# Altium PCB dv_cm.PcbDoc (part 2 of 2)
Units mm, origin at the board's own origin, x right, y up, seen from the top; angles counter-clockwise.
Board outline 86 x 62 mm, 4 copper layers (Top Layer, Ground, Power, Bottom Layer), stack 1.781 mm thick; 145 components, 168 nets, 872 pads, 199 vias.
Unrouted connection lines stored in the file: 3.
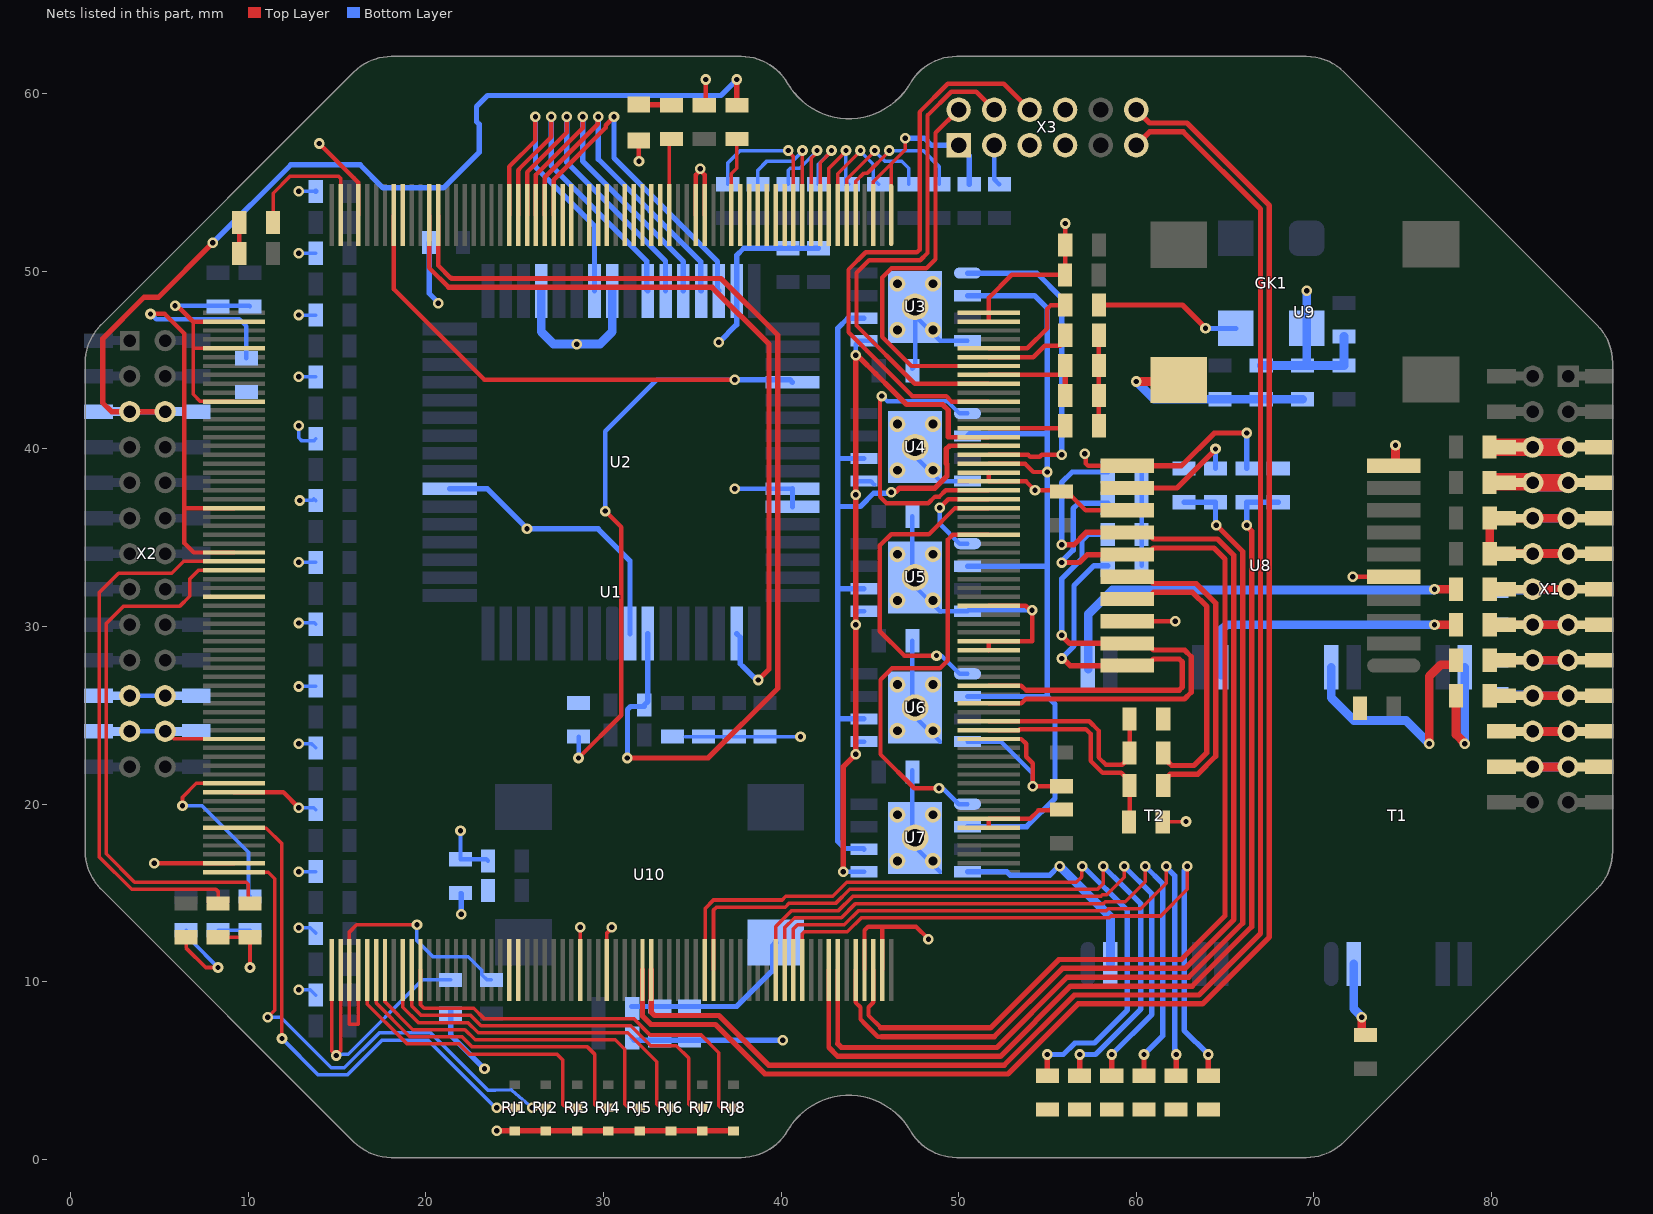
[diagram p4: the nets of this part, all layers, seen from the top]

## Via types
v1: diameter 0.6, hole 0.3, Top Layer to Bottom Layer, tented both sides, 189 vias
v2: diameter 1, hole 0.5, Top Layer to Bottom Layer, tented both sides, 4 vias
v3: diameter 5.4, hole 3, Top Layer to Bottom Layer, 4 vias
v4: diameter 0.7, hole 0.5, Top Layer to Bottom Layer, tented both sides, 1 vias
v5: diameter 0.8, hole 0.5, Top Layer to Bottom Layer, tented both sides, 1 vias

## Nets (pads, with @x,y where several pads share a name; then routed paths per layer and width w, separated by ;. In a path a pad name is that pad's centre, name@x,y a point inside that pad or via, vN(x,y) a via of type N, cw(c..) or ccw(c..) an arc to the next point about the centre after c; other vN are vias at no path point) (continued)
D_2: U1.44 U2.31 | length 17.3
  Top Layer w0.25: U1.44@24.7,53.168 24.7,55.9 26.171,57.371 v1(26.171,58.7)
  Bottom Layer w0.3: v1(26.171,58.7) 26.171,55.879 29.5,52.55 U2.31@29.5,48.9
D_3: U1.43 U2.34 | length 18.4
  Top Layer w0.25: U1.43@25.2,53.168 25.2,55.7 25.25,55.75 25.25,55.759 27.057,57.566 v1(27.057,58.7)
  Bottom Layer w0.3: v1(27.057,58.7) 27.057,55.954 32.437,50.575 32.437,48.963 U2.34@32.5,48.9
D_4: U1.42 U2.35 | length 18.6
  Top Layer w0.25: U1.42@25.7,53.168 25.7,55.573 27.943,57.815 v1(27.943,58.7)
  Bottom Layer w0.3: v1(27.943,58.7) 27.943,56.132 33.5,50.575 U2.35@33.5,48.9
D_5: U1.41 U2.36 | length 18.8
  Top Layer w0.25: U1.41@26.2,53.168 26.2,55.436 28.829,58.065 v1(28.829,58.7)
  Bottom Layer w0.3: v1(28.829,58.7) 28.829,56.221 34.5,50.55 U2.36@34.5,48.9
D_6: U1.40 U2.37 | length 19
  Top Layer w0.25: U1.40@26.7,53.168 26.7,55.3 29.68,58.28 29.68,58.666 v1(29.714,58.7)
  Bottom Layer w0.3: v1(29.714,58.7) 29.714,56.311 35.475,50.55 35.475,48.925 U2.37@35.5,48.9
D_7: U1.39 U2.38 | length 19.2
  Top Layer w0.25: U1.39@27.2,53.168 27.2,55.164 30.13,58.093 30.13,58.23 v1(30.6,58.7)
  Bottom Layer w0.3: v1(30.6,58.7) 30.6,56.377 36.427,50.55 36.427,48.973 U2.38@36.5,48.9
DVCC_B: C17.2 U1.63 | length 8
  Top Layer w0.2: C17.2@11.4,52.75 11.4,54.4 12.35,55.35 15.083,55.35 15.2,55.233 U1.63@15.2,53.168
DVCC_PLL: C15.2 C16.2 U1.249 | length 6.1
  Top Layer w0.25: U1.249@51.7,44.168 55.725,44.168 56,44.443 C15.2@56,44.654
  Top Layer w0.3: C16.2@56,42.98 C15.2@56,44.443
GND: C11.1 C12.1 C13.1 C14.1 C15.1 C16.1 C17.1 C18.1 C19.1 C20.1 C21.1 C22.1 C23.1 C24.1 C25.1 C26.1 C29.2 C30.2 C31.1 C32.1 C33.1 C34.1 C35.1 C36.1 C37.1 C38.1 C39.1 C40.1 C41.1 C42.1 D1.2 GK1.2 L1.1 R11.2 R22.1 R34.2 R35.2 R36.2 R37.2 R39.2 R40.2 R41.2 R43.1 R44.1 R45.1 R48.2 R49.2 R50.1 R51.1 R54.2 R55.2 R63.1 R64.1 RJ1.3 RJ2.3 RJ3.3 RJ4.3 RJ5.3 RJ6.3 RJ7.3 RJ8.3 T1.2 T2.2 U1.22 U1.23 U1.61 U1.66 U1.69 U1.75 U1.97 U1.127 U1.157 U1.160 U1.189 U1.191 U1.198 U1.199 U1.208 U1.218 U1.219 U1.223 U1.237 U1.238 U1.255 U1.256 U2.15 U2.28 U2.32 U2.39 U2.50 U2.51 U2.64 U3.4 U3.TP U4.4 U4.TP U5.4 U5.TP U6.4 U6.TP U7.4 U7.TP U8.5 U8.10 U8.13 U8.18 X1.9 X1.10 X1.11 X1.12 X2.21 X2.22 X3.3 X3.5 X3.7 X3.8 | length 266.4
  Top Layer w0.2: 6.9,47.168 6.9,43.081 7.307,42.674 9.194,42.674 U1.75@9.2,42.668 ; 6.919,45.668 U1.69@9.2,45.668 ; R39.2@8.3,12.505 R40.2@10.1,12.505 v1(10.1,10.8) ; v1@28.643,13.062 28.7,13.005 U1.157@28.7,10.668 ; U1.160@30.2,10.668 30.2,12.744 30.475,13.019 v1(30.475,13.062) ; R49.2@61.5,19 62.775,19 v1(62.8,19.025)
  Top Layer w0.25: v1@4.7,16.729 4.761,16.668 U1.127@9.2,16.668 ; v1(5.882,48.066) 5.976,48.066 6.144,47.899 6.169,47.899 6.9,47.168 U1.66@9.2,47.168 ; C18.1@9.3,51.2 C18.1@9.5,51 9.25,51 9.5,51.25 C17.1@9.5,52.75 C17.1@9.5,53.049 ; v1(14,57.2) 15.957,55.243 15.96,55.243 16.2,55.003 U1.61@16.2,53.168 ; v1(32,56.2) D1.2@32,57.368 ; U1.23@35.2,53.168 35.2,55.427 v1@35.45,55.677 ; v1(35.45,55.772) v1@35.45,55.677 ; U1.22@35.7,53.168 35.7,55.427 v1@35.45,55.677 ; C26.1@35.756,59.355 v1(35.756,60.8) ; U1.189@44.7,10.668 44.7,12.9 44.9,13.1 47.6,13.1 v1(48.3,12.4) ; U1.191@45.7,10.668 45.7,13 ; U1.198@51.7,18.668 U1.199@51.7,19.168 54.018,19.168 54.494,19.644 C24.1@55.591,19.644 ; U1.208@51.7,23.668 53.535,23.668 53.806,23.396 53.806,22.665 54.175,22.296 v1(54.175,21) C21.1@55.8,21 ; U1.218@51.7,28.668 U1.219@51.7,29.168 54.137,29.168 v1(54.137,30.912) 54.042,30.912 53.787,31.168 U1.223@51.7,31.168 ; U1.238@51.7,38.668 U1.237@51.7,38.168 53.798,38.168 54.276,37.69 v1@54.276,37.666 ; U1.255@51.7,47.168 U1.256@51.7,47.668 51.7,48.5 53,49.8 C25.1@55.995,49.8 C41.1@55.995,51.474 ; v1(54.3,37.666) 55.702,37.666 C20.1@55.8,37.568 ; C20.1@55.8,37.6 56.075,37.325 56.375,37.325 57.15,36.55 U8.13@59.5,36.55 ; C41.1@56,51.474 56,52.642 v1@56.047,52.689 ; R22.1@57.9,46.402 C15.1@57.9,44.703 C16.1@57.9,43.004 C14.1@57.9,41.305 C14.1@57.905,41.3 ; U8.18@59.5,30.3 v1(62.2,30.3) ; v1(72.2,32.8) U8.5@74.5,32.8
  Top Layer w0.3: v1(24,1.6) RJ1.3@25,1.6 RJ2.3@26.76,1.6 RJ3.3@28.521,1.6 RJ4.3@30.281,1.6 RJ5.3@32.041,1.6 RJ6.3@33.802,1.6 RJ7.3@35.562,1.6 RJ8.3@37.322,1.6
  Top Layer w0.5: v1(72.7,8) 72.7,7.15 72.85,7 R11.2@72.9,7 ; U8.10@74.5,39.05 74.6,39.15 v1(74.6,40.2) ; C37.1@79.905,34.099 C38.1@79.905,36.099 X1.9@84.325,36.099
  Top Layer w0.508: C37.1@79.905,34.099 X1.11@84.325,34.099
  Bottom Layer w0.2: C23.1@8.3,12.9 R41.2@10.1,12.9 v1(10.1,10.8) ; L1.1@21.953,15 L1.1@22,14.953 ; 34.6,23.8 R37.2@39.1,23.8 v1(41.1,23.8)
  Bottom Layer w0.25: X2.22@3.322,26.099 X2.21@5.322,26.099 ; v1(5.882,48.066) 10.057,48.066 C19.1@10.1,48.023 ; v1(37.4,37.75) U2.50@40.65,37.75 ; C36.1@47.4,21.9 C36.1@47.4,21.8 47.4,18.25 U7.TP@47.55,18.1 47.55,17.592 U7.TP@48.952,16.19 ; C35.1@47.4,29.2 47.4,25.583 U6.TP@47.55,25.433 47.55,24.925 U6.TP@48.952,23.523 ; C34.1@47.4,36.2 47.4,32.917 U5.TP@47.55,32.767 47.55,32.259 48.952,30.857 U5.4@50.5,30.857 50.556,30.912 v1@54.176,30.912 ; C33.1@47.4,44.515 47.55,44.665 U3.TP@47.55,47.492 ; U4.TP@47.55,40.1 47.55,39.592 48.952,38.19 U4.4@50.5,38.19 ; U3.TP@47.55,48 U3.TP@47.55,47.492 ; U6.4@50.5,23.523 52.377,23.523 54.175,21.725 v1(54.175,21) ; U3.4@50.5,46.09 48.952,46.09 U3.TP@47.55,47.492 ; X3.3@52,57.1 52,55.18 52.275,54.905 C32.1@52.3,54.905 ; R44.1@60.3,33.426 R45.1@60.3,35.184 R50.1@60.3,36.942 R51.1@60.3,38.7 R51.1@60.348,38.748
  Bottom Layer w0.3: C30.2@20.193,51.619 20.193,48.754 20.7,48.247 v1(20.7,48.2) ; U2.15@21.35,37.75 23.475,37.75 25.725,35.5 29.7,35.5 31.5,33.7 U2.64@31.5,29.6 ; C13.1@21.4,8.4 C13.1@21.4,8.2 21.4,7 23.202,5.198 23.298,5.198 v1@23.3,5.2 ; v1(22,13.8) L1.1@22,14.953 ; v1(36.5,46) 37.5,47 U2.39@37.5,48.9 37.5,50.9 37.9,51.3 C31.1@42.1,51.3 ; U2.51@40.65,36.75 U2.50@40.65,37.75 ; U7.4@50.5,16.19 52.708,16.19 52.898,16 55.136,16 55.636,16.5 v1(55.696,16.5)
  Bottom Layer w0.5: U2.28@26.5,48.9 26.5,46.6 27.2,45.9 v1(28.5,45.9) 29.8,45.9 30.5,46.6 U2.32@30.5,48.9 ; v1(55.696,16.5) 58.55,13.646 T2.2@58.55,11 ; R63.1@67.041,44.7 R64.1@69.37,44.7 R64.1@69.45,44.7 ; v1(69.6,48.9) GK1.2@69.6,46.782 69.6,44.85 R64.1@69.45,44.7 ; C11.1@71.7,46.323 C40.1@71.7,44.7 R64.1@69.45,44.7 ; T1.2@72.25,11 72.25,8.477 72.7,8.027 v1(72.7,8) ; X1.10@82.325,36.099 X1.9@84.325,36.099
  Bottom Layer w0.508: X1.12@82.325,34.099 X1.11@84.325,34.099
  other v1: 23.3,5.1 28.7,13.062 4.7,16.668 25.7,35.5 56,52.689
GND_LPF_ADC1: C1.1 C2.1 C3.1 C4.1 C5.1 C6.1 C7.1 C8.1 C9.1 C10.1 C27.1 C28.1 C43.1 C44.1 C45.1 C46.1 C47.1 L1.2 R66.1 R67.1 R68.1 U1.113 U1.119 X1.18@82.325,22.099 X1.21 X1.22 X1.23 X1.24 X2.23 X2.24 | length 50.1
  Top Layer w0.2: X2.23@5.322,24.099 5.408,24.099 5.839,23.668 U1.113@9.2,23.668 ; C27.1@6.5,12.5 6.5,11.9 7.6,10.8 v1(8.3,10.8)
  Top Layer w0.25: U1.119@9.2,20.668 11.982,20.668 v1(12.85,19.8)
  Top Layer w0.5: X1.18@82.325,22.099 X1.24@84.325,22.099 ; X1.21@82.325,24.099 X1.22@84.325,24.099
  Bottom Layer w0.2: C28.1@6.5,12.9 6.783,12.617 6.783,12.317 v1(8.3,10.8) ; v1(12.85,9.543) 13.5,9.543 13.8,9.243 C1.1@13.8,9.241 ; v1(12.85,13.043) 13.5,13.043 13.8,12.743 C2.1@13.8,12.722 ; v1(12.85,16.2) 13.796,16.2 C3.1@13.8,16.204 ; v1(12.85,19.8) 13.685,19.8 C4.1@13.8,19.685 ; v1(12.85,23.4) 13.567,23.4 C5.1@13.8,23.167 ; v1(12.85,26.625) 13.777,26.625 C6.1@13.8,26.648 ; v1(12.85,30.2) 13.73,30.2 C7.1@13.8,30.13 ; v1(12.85,33.611) C8.1@13.8,33.611 ; v1(12.85,41.3) 12.85,40.625 13.025,40.45 13.676,40.45 C10.1@13.8,40.574 ; v1(12.85,44.056) C44.1@13.8,44.056 ; v1(12.85,47.537) C45.1@13.8,47.537 ; v1(12.85,51.019) C46.1@13.8,51.019 ; v1(12.85,54.5) C47.1@13.8,54.501 ; v1(12.9,37.1) 13.593,37.1 13.693,37.2 C9.1@13.8,37.093
  Bottom Layer w0.25: X2.24@3.322,24.099 X2.23@5.322,24.099 ; v1(21.953,18.5) L1.2@21.953,16.9 23.4,16.9 C43.1@23.5,16.8
  Bottom Layer w0.3: C47.1@13.8,54.501 C47.1@13.8,54.501 ; R68.1@31.625,6.83 31.755,6.7 v1(40.1,6.7)
  Bottom Layer w0.5: X1.18@82.325,22.099 X1.24@84.325,22.099 ; X1.21@82.325,24.099 X1.22@84.325,24.099
GPIO_0: R10.1 U1.26 | length 4.3
  Top Layer w0.2: U1.26@33.7,53.168 33.7,57.31 R10.1@33.845,57.455
GPIO_1: R3.2 U1.19 | length 4.4
  Top Layer w0.2: U1.19@37.2,53.168 37.2,55.5 37.5,55.8 R3.2@37.5,57.455
GPIO_2: U1.18
GPIO_3: U1.17
GPIO_4: U1.16
GPIO_5: U1.15
GPIO_6: U1.14
GPIO_7: U1.13
MCU_CLK: GK1.3 R24.1 | length 8.2
  Top Layer w0.3: R24.1@57.9,48.101 62.599,48.101 v1(63.9,46.8)
  Bottom Layer w0.3: v1(63.9,46.8) 63.918,46.782 GK1.3@65.6,46.782
MILA_RX_N: R47.1 R49.1 U1.209 | length 12.4
  Top Layer w0.25: U1.209@51.7,24.168 53.398,24.168 53.448,24.218 57.171,24.218 57.432,23.957 57.432,22.443 58.108,21.767 59.158,21.767 59.625,21.3 59.625,19.025 R49.1@59.6,19
MILA_RX_P: R46.1 R48.1 U1.210 | length 12.2
  Top Layer w0.25: U1.210@51.7,24.668 57.357,24.668 57.882,24.143 57.882,22.629 58.294,22.217 58.714,22.217 59.214,22.217 59.625,22.628 R48.1@59.625,24.794
MILA_TX_N: R44.2 U1.214 U8.20 | length 26.5
  Top Layer w0.25: U1.214@51.7,26.668 53.535,26.668 53.81,26.393 53.835,26.418
  Top Layer w0.3: 53.835,26.418 62.424,26.418 62.6,26.594 62.6,27.999 62.424,28.175 60.975,28.175 60.6,27.8 U8.20@59.5,27.8 56.281,27.8 55.881,28.2 v1(55.8,28.2)
  Bottom Layer w0.3: v1(55.8,28.2) 56.5,28.9 56.5,32.3 57.626,33.426 R44.2@58.4,33.426
MILA_TX_P: R45.2 U1.212 U8.19 | length 29
  Top Layer w0.25: U1.212@51.7,25.668 53.535,25.668 53.81,25.943 53.835,25.918
  Top Layer w0.3: 53.835,25.918 62.718,25.918 63.1,26.3 63.1,28.3 62.725,28.675 60.975,28.675 60.6,29.05 U8.19@59.5,29.05 56.25,29.05 v1(55.8,29.5) ; v1@55.65,29.5 v1@55.731,29.5
  Bottom Layer w0.3: v1(55.8,29.5) 55.8,32.681 56.95,33.831 56.95,34.85 57.284,35.184 R45.2@58.4,35.184
MILB_RX_N: R53.1 R55.1 U1.185 | length 57.2
  Top Layer w0.25: 42.7,6.293 U1.185@42.7,10.668
  Top Layer w0.3: 42.7,6.293 43.193,5.8 52.361,5.8 56.311,9.75 63.157,9.75 66.5,13.093 66.5,35.374 66.229,35.646 v1(66.229,35.7)
  Bottom Layer w0.3: v1@66.229,35.654 66.233,35.659 R53.1@66.233,37 R55.1@68,37
MILB_RX_P: R52.1 R54.1 U1.186 | length 56.1
  Top Layer w0.25: 43.2,6.5 U1.186@43.2,10.668
  Top Layer w0.3: 43.2,6.5 43.4,6.3 52.154,6.3 56.104,10.25 62.95,10.25 66,13.3 66,34.214 64.514,35.7 v1(64.5,35.7)
  Bottom Layer w0.3: R54.1@62.7,37 R52.1@64.467,37 64.467,35.733 v1(64.5,35.7)
MILB_TX_N: R50.2 U1.190 U8.15 | length 60.9
  Top Layer w0.25: U1.190@45.2,10.668 45.2,8.833 44.925,8.558 44.925,8.1 45.625,7.4
  Top Layer w0.3: 45.625,7.4 51.793,7.4 55.643,11.25 62.536,11.25 65,13.714 65,24.6 65,33.8 64.375,34.425 60.975,34.425 60.6,34.05 U8.15@59.5,34.05 57.25,34.05 56.8,33.6 v1(55.8,33.6)
  Bottom Layer w0.3: v1(55.8,33.6) 55.8,33.65 56.45,34.3 56.45,36.65 56.742,36.942 R50.2@58.4,36.942
MILB_TX_P: R51.2 U1.188 U8.14 | length 64.4
  Top Layer w0.25: U1.188@44.2,10.668 44.2,8.833 44.475,8.558 44.475,7.878 44.75,7.603 45.453,6.9
  Top Layer w0.27: 45.453,6.9 45.675,6.9
  Top Layer w0.3: 45.675,6.9 52,6.9 55.85,10.75 62.743,10.75 65.5,13.507 65.5,34.007 64.582,34.925 60.975,34.925 60.6,35.3 U8.14@59.5,35.3 57.183,35.3 56.483,34.6 v1(55.8,34.6)
  Bottom Layer w0.3: v1(55.8,34.6) 55.8,38.1 56.4,38.7 R51.2@58.4,38.7
MISO: U1.239 U3.2 U4.2 U5.2 U6.2 U7.2 | length 55
  Top Layer w0.25: U1.239@51.7,39.168 53.741,39.168 54.209,38.7 v1(55,38.7)
  Bottom Layer w0.3: U7.2@50.5,18.73 53.83,18.73 55.425,20.325 55.425,25.638 55,26.063 ; U6.2@50.5,26.063 55,26.063 ; U5.2@50.5,33.397 54.997,33.397 55,33.4 ; U4.2@50.5,40.73 50.62,40.85 54.8,40.85 ; U3.2@50.5,48.63 54.27,48.63 55,47.9 v1(55,38.7) 55,33.4 ; 55,26.063 55,33.4
MODE0: R32.2 U1.12 | length 8.6
  Top Layer w0.2: v1(40.4,56.8) 40.4,56.751 40.7,56.451 U1.12@40.7,53.168
  Bottom Layer w0.2: R32.2@37,54.9 37,56.1 37.7,56.8 v1(40.4,56.8)
MODE1: R31.2 U1.11 | length 7.4
  Top Layer w0.2: U1.11@41.2,53.168 v1@41.2,56.8
  Bottom Layer w0.2: R31.2@38.7,54.9 38.7,55.7 39.208,56.208 40.144,56.208 40.151,56.2 40.649,56.2 41.214,56.766 v1(41.214,56.8)
MODE2: R30.2 U1.10 | length 6.7
  Top Layer w0.2: U1.10@41.7,53.168 41.7,56.363 42.029,56.692 v1(42.029,56.8)
  Bottom Layer w0.2: R30.2@40.4,54.9 40.4,55.683 40.517,55.8 41.063,55.8 42.029,56.766 v1(42.029,56.8) ; v1@42,56.751 v1@42,56.8
MODE3: R29.2 U1.9 | length 6.1
  Top Layer w0.2: U1.9@42.2,53.168 42.2,56.123 42.843,56.766 v1(42.843,56.8)
  Bottom Layer w0.2: R29.2@42.1,54.9 42.1,56.023 42.843,56.766 v1(42.843,56.8)
MODE4: R28.2 U1.8 | length 6.1
  Top Layer w0.2: U1.8@42.7,53.168 42.7,55.809 43.657,56.766 v1(43.657,56.8)
  Bottom Layer w0.2: v1(43.657,56.8) 43.657,54.9 R28.2@43.8,54.9
MODE5: R27.2 U1.7 | length 6.5
  Top Layer w0.2: U1.7@43.2,53.168 U1.7@43.225,53.193 ; U1.7@43.2,53.193 43.2,55.494 44.471,56.766 v1(44.471,56.8)
  Bottom Layer w0.2: v1(44.471,56.8) 44.471,56.766 45.2,56.037 45.2,55.2 R27.2@45.5,54.9 ; v1@44.5,56.751 v1@44.5,56.8
MODE6: R26.2 U1.6 | length 7.5
  Top Layer w0.2: U1.6@43.7,53.168 43.7,55.18 45.286,56.766 v1(45.286,56.8)
  Bottom Layer w0.2: v1(45.286,56.8) 45.286,56.766 45.851,56.2 46.8,56.2 47.2,55.8 R26.2@47.2,54.9
MODE7: R25.2 U1.5 | length 8.7
  Top Layer w0.2: U1.5@44.2,53.168 44.205,53.173 44.205,55.062 44.676,55.533 44.867,55.533 46.1,56.766 v1(46.1,56.8)
  Bottom Layer w0.2: v1(46.1,56.8) 48,56.8 48.9,55.9 R25.2@48.9,54.9
MOSI: U1.242 U3.5 U4.5 U5.5 U6.5 U7.5 | length 47.1
  Top Layer w0.25: 49.417,40.668 U1.242@51.7,40.668
  Top Layer w0.3: v1(43.5,16.2) 43.5,22.1 v1(44.2,22.8) v1(44.2,30.1) v1(44.2,37.411) v1(44.2,45.28) 44.281,45.28 44.431,45.13 44.439,45.13 45.336,44.233 46.325,43.244 47.069,42.5 49.1,42.5 49.417,42.183 49.417,40.668
  Bottom Layer w0.25: v1@43.602,16.2 v1(43.5,16.2) 43.505,16.195 44.67,16.195 U7.5@44.675,16.19 U7.5@44.392,16.19 ; v1(44.2,22.8) 44.2,23.331 44.392,23.523 U6.5@44.675,23.523 ; v1(44.2,30.1) 44.2,30.664 44.392,30.857 U5.5@44.675,30.857 ; v1(44.2,37.411) 44.2,37.998 44.392,38.19 U4.5@44.675,38.19 45.047,38.19 U4.5@45.24,37.998 ; v1(44.2,45.28) 44.2,45.897 44.392,46.09 U3.5@44.675,46.09 45.11,46.09 U3.5@45.302,45.897
MPI_1_A: R56.1 R57.1 X1.19 X1.20 | length 8.5
  Top Layer w0.5: R56.1@79.905,26.099 X1.20@82.325,26.099 ; X1.20@82.325,26.099 X1.19@84.325,26.099
  Bottom Layer w0.5: R57.1@80.3,26.199 80.35,26.149 82.275,26.149 X1.20@82.325,26.099 X1.19@84.325,26.099
MPI_1_B: R59.1 R60.1 X1.15 X1.16 | length 8.4
  Top Layer w0.5: R59.1@79.905,30.099 X1.16@82.325,30.099 X1.15@84.325,30.099
  Bottom Layer w0.5: R60.1@80.3,30.1 X1.16@82.325,30.099 X1.15@84.325,30.099
MPI_2_A: R57.2 R58.1 X1.17 X1.18@80.575,28.099 X1.18@81.675,28.099 X1.18@82.325,28.099 | length 8.4
  Top Layer w0.5: R58.1@79.905,28.099 X1.18@82.325,28.099 X1.17@84.325,28.099
  Bottom Layer w0.5: R57.2@80.3,28.099 X1.18@82.325,28.099 X1.17@84.325,28.099
MPI_2_B: R60.2 R61.1 X1.13 X1.14 | length 8.5
  Top Layer w0.5: R61.1@79.905,32.099 X1.14@82.325,32.099 X1.13@84.325,32.099
  Bottom Layer w0.5: R60.2@80.3,32 80.35,32.05 82.275,32.05 X1.14@82.325,32.099 X1.13@84.325,32.099
MPI_ADDR_0: R4.2 U1.171 | length 41.9
  Top Layer w0.2: U1.171@35.7,10.668 35.725,10.693 35.725,14.125 36.2,14.6 40.064,14.6 40.27,14.806 42.906,14.806 43.7,15.6 56.626,15.6 56.926,15.9 56.926,16.467 v1(56.958,16.5)
  Top Layer w0.3: R4.2@55,4.7 v1(55,5.9)
  Bottom Layer w0.3: v1(55,5.9) 55.893,5.9 56.543,6.55 57.643,6.55 59.5,8.407 59.5,14 57,16.5 v1(56.958,16.5)
MPI_ADDR_1: R5.2 U1.172 | length 41.5
  Top Layer w0.2: U1.172@36.2,10.668 36.2,14.034 36.366,14.2 40.229,14.2 40.435,14.406 43.072,14.406 43.866,15.2 57.824,15.2 58.141,15.517 v1(58.141,16.5) ; R5.2@56.8,4.72 R5.2@56.82,4.7
  Top Layer w0.3: R5.2@56.8,4.72 56.812,4.732 v1(56.812,5.9)
  Bottom Layer w0.3: v1(56.812,5.9) 57.7,5.9 60.26,8.46 60.26,14.381 59.235,15.406 v1(58.141,16.5)
MPI_ADDR_2: R6.2 U1.179 | length 37.2
  Top Layer w0.2: U1.179@39.7,10.668 39.7,13.105 40.601,14.006 43.237,14.006 44.031,14.8 57.99,14.8 58.09,14.9 58.35,14.9 59.324,15.874 v1(59.324,16.5)
  Top Layer w0.3: R6.2@58.624,4.7 v1(58.624,5.9)
  Bottom Layer w0.3: v1(58.624,5.9) 60.878,8.154 60.878,14.947 v1(59.324,16.5)
MPI_ADDR_3: R7.2 U1.180 | length 37.3
  Top Layer w0.2: U1.180@40.2,10.668 40.2,13.039 40.767,13.606 43.403,13.606 44.197,14.4 58.156,14.4 58.256,14.5 59.375,14.5 60.507,15.632 v1(60.507,16.5)
  Top Layer w0.3: R7.2@60.436,4.7 v1(60.436,5.9)
  Bottom Layer w0.3: v1(60.436,5.9) 61.5,6.964 61.5,15.507 v1(60.507,16.5)
MPI_ADDR_4: R8.2 U1.181 | length 37.4
  Top Layer w0.2: U1.181@40.7,10.668 40.7,12.974 40.932,13.206 43.569,13.206 44.363,14 58.321,14 58.421,14.1 60.25,14.1 61.69,15.54 v1(61.69,16.5) ; R8.2@62.28,4.7 R8.2@62.3,4.72
  Top Layer w0.3: v1(62.248,5.9) 62.248,4.732 R8.2@62.28,4.7
  Bottom Layer w0.3: v1(61.69,16.5) 61.69,16.458 62.164,15.985 62.164,6.196 62.191,6.17 62.191,5.957 v1(62.248,5.9)
MPI_ADDR_EVEN: R9.2 U1.182 | length 38.5
  Top Layer w0.2: U1.182@41.2,10.668 41.2,12.689 41.317,12.806 43.734,12.806 44.528,13.6 58.487,13.6 58.587,13.7 61.375,13.7 62.873,15.198 v1(62.873,16.5)
  Top Layer w0.3: R9.2@64.06,4.7 v1(64.06,5.9)
  Bottom Layer w0.3: v1(62.873,16.5) 62.873,16.419 62.7,16.245 62.7,7.26 v1(64.06,5.9)
NetC12_2: C12.2 U1.87 U1.92 | length 27.5
  Top Layer w0.25: v1(4.5,47.6) 5.3,47.6 6.4,46.5 6.4,36.668 ; U1.92@9.2,34.168 6.932,34.168 6.4,34.7 6.4,36.668 ; U1.87@9.2,36.668 6.4,36.668
  Bottom Layer w0.25: v1(4.5,47.6) 4.519,47.6 4.821,47.298 9.502,47.298 9.9,46.9 C12.2@9.9,45.109
NetC13_2: C13.2 U1.129 U1.130 | length 18.1
  Top Layer w0.2: U1.129@14.7,10.668 14.7,6.096 v1(14.948,5.848) 14.948,5.854 15.2,6.107 U1.130@15.2,10.668
  Bottom Layer w0.2: v1(14.948,5.848) 15.024,5.925 15.625,5.925 19.8,10.1 C13.2@21.4,10.1
NetC14_2: C14.2 U1.243 | length 4.4
  Top Layer w0.2: C14.2@55.862,41.168 C14.2@56,41.305
  Top Layer w0.25: U1.243@51.7,41.168 C14.2@55.862,41.168
NetD1_1: D1.1 R10.2 | length 1.9
  Top Layer w0.3: D1.1@32,59.4 32.023,59.377 33.823,59.377 R10.2@33.845,59.355
NetR1_2: R1.2 X1.7 X1.8 | length 6.1
  Top Layer w1: X1.8@80.239,38.15 82.274,38.15 X1.8@82.325,38.099 X1.7@84.325,38.099
  Bottom Layer w1: X1.8@82.325,38.099 X1.7@84.325,38.099
NetR2_2: R2.2 X1.5 X1.6 | length 6.3
  Top Layer w1: X1.6@80.024,40.13 80.055,40.099 X1.6@82.325,40.099 X1.5@84.325,40.099
  Bottom Layer w1: X1.6@82.325,40.099 X1.5@84.325,40.099
NetR3_1: R3.1 X2.5 X2.6 | length 54.8
  Top Layer w0.3: X2.6@4.833,42.099 X2.5@3.322,42.099 2.301,42.099 1.8,42.6 1.8,46.2 4.139,48.539 4.939,48.539 v1(8,51.6) ; R3.1@37.512,59.355 v1(37.513,60.8)
  Bottom Layer w0.3: X2.5@3.322,42.099 X2.6@5.322,42.099 ; v1(8,51.6) 12.4,56 16.3,56 17.6,54.7 21,54.7 23,56.7 23,58.281 22.85,58.431 22.85,59.274 23.476,59.9 36.612,59.9 v1(37.513,60.8)
NetR22_2: R22.2 U1.251 | length 4.9
  Top Layer w0.25: U1.251@51.7,45.168 54.207,45.168 54.843,45.803 55.725,45.803 56,46.078 R22.2@56,46.328
NetR24_2: R24.2 U1.252 | length 6
  Top Layer w0.25: U1.252@51.7,45.668 53.868,45.668 55,46.8 55,47.9 55.2,48.1 R24.2@56,48.101
NetR38_2: R38.2 U1.131 U1.132 | length 18.9
  Top Layer w0.2: U1.132@16.2,10.668 16.2,7.6 15.7,7.6 U1.131@15.7,10.668 15.7,12.8 16.1,13.2 v1(19.5,13.2) v1@19.45,13.25
  Bottom Layer w0.2: v1(19.5,13.2) 19.5,12.3 20.4,11.4 22.393,11.4 23.156,10.637 23.156,10.4 23.456,10.1 R38.2@23.693,10.1
NetR39_1: R39.1 U1.93 | length 31.4
  Top Layer w0.2: R39.1@8.3,14.405 8.3,15.083 8.183,15.2 3.434,15.2 1.6,17.034 1.6,31.9 2.7,33 5.7,33 6.368,33.668 U1.93@9.2,33.668
NetR40_1: R40.1 U1.94 | length 32.1
  Top Layer w0.2: U1.94@9.2,33.168 9.193,33.175 7.199,33.175 6.7,32.676 6.7,31.7 6.129,31.129 2.957,31.129 2,30.171 2,17.2 3.6,15.6 9.883,15.6 10,15.483 10,14.555 9.85,14.405 R40.1@10.1,14.405
NetR41_1: R41.1 U1.118 | length 11
  Top Layer w0.2: v1(6.3,19.9) 6.3,20.387 7.081,21.168 U1.118@9.2,21.168
  Bottom Layer w0.2: v1(6.3,19.9) 7.4,19.9 10.017,17.283 10.017,14.883 R41.1@10.1,14.8
NetR46_2: R46.2 U8.17 | length 16.4
  Top Layer w0.3: U8.17@59.5,31.55 60.6,31.55 60.975,31.925 63.168,31.925 63.975,31.118 63.975,22.9 63.25,22.175 61.999,22.175 61.796,22.378 61.775,22.378 61.525,22.628 R46.2@61.525,22.878
NetR47_2: R47.2 U8.16 | length 18
  Top Layer w0.3: U8.16@59.5,32.8 60.6,32.8 60.975,32.425 63.375,32.425 64.475,31.325 64.475,22.975 64.475,22.693 63.457,21.675 63.175,21.675 61.9,21.675 61.525,21.3 R47.2@61.525,21.05
NetR52_2: R52.2 U8.12 | length 7
  Top Layer w0.3: U8.12@59.5,37.8 62.3,37.8 v1@64.5,40
  Bottom Layer w0.3: R52.2@64.467,38.9 v1(64.467,40)
NetR53_2: R53.2 U8.11 | length 12.3
  Top Layer w0.25: v1(57.1,39.725) 57.167,39.658 57.167,39.179 57.296,39.05 U8.11@59.5,39.05
  Top Layer w0.3: U8.11@59.5,39.05 62.55,39.05 64.4,40.9 v1@66.1,40.9
  Bottom Layer w0.3: R53.2@66.233,38.9 v1(66.233,40.9)
NetR56_2: R56.2 T1.5 | length 7.2
  Top Layer w0.5: R56.2@78.005,26.099 78.005,23.922 78.5,23.427 v1(78.5,23.4)
  Bottom Layer w0.5: v1(78.5,23.4) T1.5@78.5,27.7
NetR58_2: R58.2 T1.8 | length 14
  Top Layer w0.5: v1(76.5,23.4) 76.5,27.2 77.148,27.848 77.855,27.848 78.005,27.998 R58.2@78.005,28.099
  Bottom Layer w0.5: T1.8@70.98,27.7 70.98,25.993 72.273,24.7 75.2,24.7 v1(76.5,23.4)
NetR59_2: R59.2 T2.5 | length 15.9
  Top Layer w0.5: v1@76.801,30.099 R59.2@78.005,30.099
  Bottom Layer w0.5: T2.5@64.8,27.262 64.8,29.807 65.093,30.1 v1(76.8,30.1)
NetR61_2: R61.2 T2.8 | length 24.4
  Top Layer w0.5: v1@76.801,32.099 R61.2@78.005,32.099
  Bottom Layer w0.5: T2.8@57.3,27.591 57.3,30.7 58.65,32.05 76.75,32.05 v1(76.8,32.1)
NetR62_1: R62.1 R63.2 R64.2 U9.17 | length 12.2
  Top Layer w0.5: v1(60,43.8) 62.32,43.8 U9.17@62.4,43.88
  Bottom Layer w0.5: v1(60,43.8) 61.005,42.795 R62.1@64.711,42.795 64.714,42.797 69.368,42.797 R64.2@69.37,42.8
NetR65_1: R65.1 R66.2 R67.2 U10.17 | length 10.4
  Bottom Layer w0.3: R65.1@31.6,8.605 R66.2@33.172,8.605 R67.2@34.846,8.605 37.505,8.605 39.526,10.626 39.526,12.026 U10.17@39.7,12.2
NRST: R23.1 U1.1 U1.3 X3.1 | length 13.5
  Top Layer w0.2: U1.3@45.2,53.168 45.2,55.052 47,56.852 v1(47,57.5) ; U1.1@46.2,53.168 46.2,56
  Bottom Layer w0.3: v1(47,57.5) 48.073,57.5 48.473,57.1 X3.1@50,57.1 50.6,56.5 R23.1@50.6,54.905
PWM_N: U1.149
PWM_P: U1.150
SCK: U1.241 U3.6 U4.6 U5.6 U6.6 U7.6 | length 47.6
  Top Layer w0.25: 49.476,40.168 U1.241@51.7,40.168
  Top Layer w0.3: v1(46.2,37.559) 46.258,37.617 46.498,37.617 46.671,37.79 48.672,37.79 49.35,38.469 49.35,39.131 49.3,39.181 49.3,39.992 49.476,40.168
  Bottom Layer w0.3: U7.6@44.675,17.46 44.635,17.5 43.6,17.5 43.2,17.9 43.2,24.8 ; U6.6@44.675,24.793 44.668,24.8 43.2,24.8 ; U5.6@44.675,32.127 43.227,32.127 43.2,32.1 ; U4.6@44.675,39.46 43.2,39.46 ; U3.6@44.675,47.36 43.76,47.36 43.2,46.8 43.2,39.46 ; v1(46.2,37.559) 46.143,37.502 45.211,37.502 44.469,36.761 43.261,36.761 43.2,36.7 ; 43.2,24.8 43.2,32.1 ; 43.2,32.1 43.2,36.7 ; 43.2,36.7 43.2,39.46
SET_0: RJ8.1 U1.139 | length 23.7
  Top Layer w0.2: U1.139@19.7,10.668 19.7,8.7 19.9,8.5 22.7,8.5 23.275,7.925 31.7,7.925 32.625,7 35.5,7 36.5,6 36.5,3.017 36.617,2.9 RJ8.1@37.322,2.9
SET_1: RJ7.1 U1.138 | length 22.3
  Top Layer w0.2: U1.138@19.2,10.668 19.2,8.634 19.734,8.1 22.534,8.1 23.109,7.525 31.534,7.525 32.659,6.4 34.1,6.4 34.8,5.7 34.8,3.1 35,2.9 RJ7.1@35.562,2.9
SET_2: RJ6.1 U1.137 | length 21
  Top Layer w0.2: U1.137@18.7,10.668 18.7,8.569 19.569,7.7 22.369,7.7 22.943,7.125 31.369,7.125 33,5.494 33,3.1 33.2,2.9 RJ6.1@33.802,2.9
SET_3: RJ5.1 U1.135 | length 20.4
  Top Layer w0.2: U1.135@17.7,10.668 17.7,8.869 19.269,7.3 22.203,7.3 22.778,6.725 30.675,6.725 31.2,6.2 31.2,3.1 31.4,2.9 RJ5.1@32.041,2.9
SET_4: RJ4.1 U1.134 | length 19
  Top Layer w0.2: U1.134@17.2,10.668 17.2,8.803 19.103,6.9 22.037,6.9 22.612,6.325 29.1,6.325 29.5,5.925 29.5,3.1 29.7,2.9 RJ4.1@30.281,2.9
SET_5: RJ3.1 U1.133 | length 17.6
  Top Layer w0.2: U1.133@16.7,10.668 16.7,8.736 18.636,6.8 18.637,6.8 18.937,6.5 21.872,6.5 22.446,5.925 27.375,5.925 27.7,5.6 27.7,3.1 27.9,2.9 RJ3.1@28.521,2.9
SET_6: RJ2.1 U1.128 | length 29.8
  Top Layer w0.2: U1.128@9.175,16.168 U1.128@9.2,16.168 11.132,16.168 11.5,15.8 11.5,8.4 v1(11.1,8) ; v1(26,2.9) RJ2.1@26.76,2.9
  Bottom Layer w0.2: v1(11.1,8) 11.826,8 14.676,5.15 15.416,5.15 17.382,7.116 20.271,7.116 23.487,3.9 23.899,3.9 23.901,3.9 24.812,3.911 24.869,3.862 v1(26,2.9)
SET_7: RJ1.1 U1.123 | length 30.4
  Top Layer w0.2: U1.123@9.2,18.668 9.225,18.643 11.024,18.643 11.9,17.767 v1(11.9,6.8) ; v1(24,2.9) RJ1.1@25,2.9
  Bottom Layer w0.2: v1(11.9,6.8) 13.95,4.75 15.581,4.75 17.547,6.716 20.106,6.716 23.922,2.9 v1(24,2.9)
STM_0: U1.38
STM_1: U1.37
STM_2: U1.35
STM_3: U1.34
STM_4: U1.33
STM_5: U1.31
STM_6: U1.30
STM_7: U1.29
STM_8: U1.28
STM_9: U1.27
SWCLK: U1.250 X3.2 | length 22.4
  Top Layer w0.25: X3.2@50,59.1 48.7,57.8 48.7,50.682 48.189,50.171 46.222,50.171 45.705,49.654 45.705,47.918 45.696,47.908 45.696,46.304 47.332,44.668 U1.250@51.7,44.668
SWDIO: U1.248 X3.4 | length 28.7
  Top Layer w0.25: U1.248@51.7,43.668 47.532,43.668 44.25,46.95 44.25,49.914 44.957,50.621 47.84,50.621 48.25,51.031 48.25,58.779 49.581,60.111 50.989,60.111 X3.4@52,59.1
SWDO: U1.246 X3.6 | length 32.7
  Top Layer w0.25: U1.246@51.675,42.668 49.604,42.668 49.297,42.975 47.389,42.975 44.825,45.539 43.8,46.564 43.8,50.1 44.771,51.071 47.654,51.071 47.8,51.217 47.8,58.966 49.395,60.561 52.539,60.561 X3.6@54,59.1
UART_RX_DBG: U1.164 X3.12 | length 93.4
  Top Layer w0.3: U1.164@32.2,10.668 32.2,8.062 32.669,7.593 36.3,7.593 39.093,4.8 52.775,4.8 56.725,8.75 63.732,8.75 67.5,12.518 67.5,53.707 62.857,58.35 60.75,58.35 X3.12@60,59.1
UART_TX_DBG: U1.165 X3.11 | length 90.9
  Top Layer w0.3: U1.165@32.7,10.668 32.7,8.269 32.876,8.093 36.507,8.093 39.3,5.3 52.568,5.3 56.518,9.25 63.525,9.25 67,12.725 67,53.5 62.65,57.85 60.75,57.85 X3.11@60,57.1
~CS_0: R43.2 U1.57 U2.44 | length 58.3
  Top Layer w0.25: U1.57@18.2,53.168 18.2,49 23.3,43.9 v1(37.4,43.9) ; v1(28.6,22.6) 31,25 31,35.6 v1(30.1,36.5)
  Bottom Layer w0.25: v1(28.6,22.6) 28.6,22.7 R43.2@28.6,23.8 ; v1(30.1,36.5) 30.1,41 33,43.9 v1(37.4,43.9)
  Bottom Layer w0.3: v1(37.4,43.9) 37.402,43.902 40.498,43.902 U2.44@40.65,43.75
~CS_1: U1.56
~FS_0: U1.240 U3.1 | length 18.9
  Top Layer w0.25: U1.240@51.7,39.668 53.913,39.668 54.031,39.55 54.569,39.55 54.687,39.668 v1(55.8,39.668)
  Bottom Layer w0.3: U3.1@50.5,49.9 54.4,49.9 55.8,48.5 v1(55.8,39.668)
~FS_1: U1.236 U4.1 | length 17.5
  Top Layer w0.25: v1(45.675,42.975) 45.575,42.875 45.575,37.3 45.941,36.934 48.295,36.934 48.675,37.315 48.923,37.315 49.276,37.668 U1.236@51.7,37.668
  Bottom Layer w0.25: v1(45.675,42.975) 45.696,42.975 45.996,42.675 49.381,42.675 50.056,42 U4.1@50.5,42
~FS_2: U1.235 U5.1 | length 5.9
  Top Layer w0.25: v1(48.934,36.69) 49.412,37.168 U1.235@51.7,37.168
  Bottom Layer w0.25: v1(48.934,36.69) 48.934,35.788 50.056,34.667 U5.1@50.5,34.667
~FS_3: U1.234 U6.1 | length 17.8
  Top Layer w0.25: v1(48.759,28.364) 46.936,28.364 45.567,29.733 45.567,34.567 46.2,35.2 48.328,35.2 49.796,36.668 U1.234@51.7,36.668
  Bottom Layer w0.25: v1(48.759,28.364) 49.025,28.364 50.056,27.333 U6.1@50.5,27.333
~FS_4: U1.231 U7.1 | length 23.7
  Top Layer w0.25: v1(48.9,20.9) 47.5,20.9 45.601,22.799 45.601,27.001 46.25,27.65 48.95,27.65 49.4,28.1 49.4,34.9 49.668,35.168 U1.231@51.7,35.168
  Bottom Layer w0.25: v1(48.9,20.9) 48.967,20.833 49.167,20.833 50,20 U7.1@50.5,20
~OE: U1.53 U2.58 | length 46.2
  Top Layer w0.25: U1.53@20.2,53.168 20.2,50.193 21.293,49.1
  Top Layer w0.3: 21.293,49.1 36.125,49.1 39.325,45.9 39.325,27.595 v1(38.717,26.987)
  Bottom Layer w0.3: U2.58@37.5,29.6 37.706,29.394 37.706,27.902 37.881,27.726 37.887,27.726 38.476,27.137 38.486,27.137 38.595,27.028 v1@38.758,27.028
~WE: R42.2 U1.52 U2.63 | length 61.4
  Top Layer w0.25: U1.52@20.7,53.143 20.7,50.329 21.412,49.618 21.447,49.618
  Top Layer w0.3: 21.447,49.618 21.465,49.6 36.625,49.6 39.825,46.4 39.825,26.525 35.9,22.6 v1@31.369,22.6
  Bottom Layer w0.3: v1(31.343,22.6) 31.36,22.617 31.36,25.324 31.536,25.5 R42.2@32.3,25.5 ; R42.2@32.3,25.573 32.5,25.773 U2.63@32.5,29.6
Адр_0: R4.1
Адр_1: R5.1
Адр_2: R6.1
Адр_3: R7.1
Адр_4: R8.1
Адр_Четн: R9.1
pads on no net: T1.3 T1.6 T1.7 T2.3 T2.6 T2.7 U1.2 U1.4 U1.32 U1.36 U1.47 U1.48 U1.49 U1.50 U1.51 U1.54 U1.55 U1.58 U1.59 U1.60 U1.62 U1.67 U1.68 U1.71 U1.72 U1.91 U1.95 U1.96 U1.98 U1.99 U1.100 U1.101 U1.102 U1.104 U1.136 U1.140 U1.141 U1.142 U1.143 U1.144 U1.145 U1.146 U1.147 U1.148 U1.151 U1.152 U1.154 U1.156 U1.158 U1.161 U1.163 U1.166 U1.167 U1.168 U1.169 U1.170 U1.173 U1.174 U1.175 U1.176 U1.177 U1.178 U1.183 U1.184 U1.187 U1.192 U1.195 U1.196 U1.197 U1.200 U1.201 U1.202 U1.203 U1.204 U1.205 U1.206 U1.207 U1.211 U1.215 U1.216 U1.217 U1.220 U1.221 U1.222 U1.224 U1.225 U1.226 U1.227 U1.228 U1.229 U1.230 U1.244 U1.245 U1.247 U1.253 U2.9 U2.10 U2.11 U2.12 U2.13 U2.14 U2.18 U2.22 U2.23 U2.24 U2.25 U2.26 U2.41 U2.42 U2.43 U2.46 U2.47 U2.48 U2.49 U2.53 U2.54 U2.55 U2.56 U2.57 X1.25 X1.26

## Polygon pours and split planes (outlines as drawn)
GND on Top Layer "NONET_L04_P-001" (solid, remove dead copper, pour order 8): 39.851,61.266 ccw(c50.961,70.086) 42.141,58.977 42.496,58.621 45.146,58.621 48.646,62.121 70.803,62.121 86.821,46.102 86.821,16.121 70.821,0.121 48.996,0.121 45.288,3.322 42.271,3.304 38.646,0.121 16.821,0.121 0.821,16.121 0.821,46.098 15.856,61.132 cw(c18.068,59.097) 17.943,62.1 20.8,62.1 37.7,62.1 37.838,62.1 cw(c37.764,59.074)
+5V on Top Layer "NONET_L04_P-001" (solid, remove dead copper, pour order 7): 71,46 79,46 79,42 79,38.2 78.5,38.2 77.3,38.2 76.5,38.2 76.5,41 71,41
GND on Bottom Layer "NONET_L04_P-001" (solid, remove dead copper, pour order 9): 0.419,46 16.419,62 38.594,62 42.263,58.679 44.629,58.679 48.244,62 70.419,62 86.419,46 86.419,16 70.419,0 48.594,0 44.91,3.222 41.718,3.108 38.244,0 16.419,0 0.419,16
+5V on Power (split plane): 75.548,39.1 75.556,39.035 75.582,38.974 75.622,38.922 75.674,38.882 75.735,38.856 75.8,38.848 86.313,38.848 86.313,17.343 86.315,17.327 86.306,17.125 86.278,16.91 86.231,16.698 86.165,16.49 86.082,16.29 85.982,16.097 85.865,15.913 85.732,15.741 85.596,15.593 85.584,15.582 79.054,9.052 23.852,9.052 23.852,13.7 23.852,17.348 27.748,17.348 27.748,15.052 26.2,15.052 26.135,15.044 26.074,15.018 26.022,14.978 25.982,14.926 25.956,14.865 25.948,14.8 25.948,11.8 25.956,11.735 25.982,11.674 26.022,11.622 26.074,11.582 26.135,11.556 26.2,11.548 61.1,11.548 61.165,11.556 61.226,11.582 61.278,11.622 68.778,19.122 68.818,19.174 68.844,19.235 68.852,19.3 68.852,35.8 68.852,47.348 75.548,47.348
-5VA on Power (split plane): 69.798,61.582 70.014,61.554 70.226,61.507 70.433,61.442 70.634,61.358 70.827,61.258 71.01,61.141 71.183,61.009 71.331,60.873 71.341,60.86 85.584,46.618 85.596,46.607 85.732,46.459 85.865,46.287 85.982,46.103 86.082,45.91 86.165,45.71 86.231,45.502 86.278,45.29 86.306,45.074 86.315,44.873 86.313,44.857 86.313,43.365 80.952,43.365 80.952,47.8 80.944,47.865 80.918,47.926 80.878,47.978 73.878,54.978 73.826,55.018 73.765,55.044 73.7,55.052 15.1,55.052 15.035,55.044 14.974,55.018 14.922,54.978 7.822,47.878 7.782,47.826 7.756,47.765 7.748,47.7 7.748,46.1 7.748,45.333 1.379,45.333 1.417,45.502 1.482,45.71 1.565,45.91 1.666,46.103 1.782,46.287 1.915,46.459 2.051,46.607 2.063,46.618 16.306,60.86 16.316,60.873 16.465,61.009 16.637,61.141 16.82,61.258 17.013,61.358 17.214,61.442 17.421,61.507 17.634,61.554 17.849,61.582 18.05,61.591 18.066,61.59 37.761,61.59 37.777,61.591 37.979,61.582 38.194,61.554 38.406,61.507 38.614,61.442 38.814,61.358 39.007,61.258 39.191,61.141 39.363,61.009 39.523,60.862 39.67,60.702 39.803,60.529 39.919,60.347 39.919,60.346 39.917,60.345 39.935,60.317 39.935,60.316 40.073,60.094 40.245,59.854 40.432,59.626 40.634,59.411 40.85,59.209 41.078,59.022 41.318,58.85 41.568,58.694 41.829,58.555 42.097,58.433 42.374,58.329 42.656,58.243 42.944,58.176 43.235,58.128 43.529,58.099 43.824,58.09 44.119,58.099 44.412,58.128 44.703,58.176 44.991,58.243 45.273,58.329 45.55,58.433 45.818,58.555 46.079,58.694 46.329,58.85 46.569,59.022 46.797,59.209 47.013,59.411 47.215,59.626 47.402,59.854 47.574,60.094 47.712,60.316 47.712,60.317 47.73,60.345 47.728,60.346 47.728,60.347 47.845,60.529 47.977,60.702 48.124,60.862 48.284,61.009 48.456,61.141 48.64,61.258 48.833,61.358 49.033,61.442 49.241,61.507 49.453,61.554 49.669,61.582 49.87,61.591 49.886,61.59 69.581,61.59 69.597,61.591
3V3A on Power (split plane): 23.348,24.749 23.348,13.7 23.348,9.052 14.652,9.052 14.652,19 14.644,19.065 14.618,19.126 14.578,19.178 14.526,19.218 14.465,19.244 14.4,19.252 1.334,19.252 1.334,24.852
+5VA on Power (split plane): 73.596,54.548 80.448,47.696 80.448,43.113 80.456,43.047 80.482,42.987 80.522,42.934 80.574,42.894 80.635,42.869 80.7,42.86 86.313,42.86 86.313,39.37 86.296,39.352 76.052,39.352 76.052,47.6 76.044,47.665 76.018,47.726 75.978,47.778 70.878,52.878 70.826,52.918 70.765,52.944 70.7,52.952 18.013,52.952 17.948,52.944 17.887,52.918 17.835,52.878 12.672,47.715 11.222,46.265 11.182,46.213 11.156,46.152 11.148,46.087 11.148,42.304 9.196,40.352 1.334,40.352 1.334,44.829 8,44.829 8.065,44.838 8.126,44.863 8.178,44.903 8.218,44.955 8.244,45.016 8.252,45.081 8.252,46.1 8.252,47.596 15.204,54.548
3V3 on Power (split plane): 75.191,47.852 68.6,47.852 68.535,47.844 68.474,47.818 68.422,47.778 68.382,47.726 68.356,47.665 68.348,47.6 68.348,35.8 68.348,19.404 60.996,12.052 26.452,12.052 26.452,14.548 28,14.548 28.065,14.556 28.126,14.582 28.178,14.622 28.218,14.674 28.244,14.735 28.252,14.8 28.252,17.6 28.244,17.665 28.218,17.726 28.178,17.778 28.126,17.818 28.065,17.844 28,17.852 23.852,17.852 23.852,25 23.848,25.032 23.844,25.064 23.844,25.065 23.831,25.095 23.819,25.125 23.819,25.126 23.818,25.126 23.799,25.152 23.779,25.177 23.779,25.178 23.778,25.178 23.753,25.198 23.727,25.218 23.726,25.218 23.696,25.231 23.666,25.243 23.665,25.244 23.633,25.248 23.601,25.252 1.334,25.357 1.334,39.848 9.3,39.848 9.365,39.856 9.426,39.882 9.478,39.922 11.578,42.022 11.618,42.074 11.644,42.135 11.652,42.2 11.652,45.983 13.028,47.359 18.117,52.448 70.596,52.448
3V3 on Power (split plane): 14.148,8.8 14.156,8.735 14.182,8.674 14.222,8.622 14.274,8.582 14.335,8.556 14.4,8.548 78.549,8.548 71.341,1.34 71.331,1.327 71.183,1.191 71.01,1.059 70.827,0.942 70.634,0.842 70.433,0.758 70.226,0.693 70.014,0.646 69.798,0.618 69.597,0.609 69.581,0.61 49.886,0.61 49.87,0.609 49.669,0.618 49.453,0.646 49.241,0.693 49.033,0.758 48.833,0.842 48.64,0.942 48.456,1.059 48.284,1.191 48.124,1.338 47.977,1.498 47.845,1.671 47.729,1.853 47.728,1.854 47.73,1.855 47.712,1.883 47.712,1.884 47.574,2.106 47.402,2.346 47.215,2.574 47.013,2.789 46.797,2.991 46.569,3.178 46.329,3.35 46.079,3.506 45.818,3.645 45.55,3.767 45.273,3.871 44.991,3.957 44.703,4.024 44.412,4.072 44.119,4.101 43.824,4.11 43.529,4.101 43.235,4.072 42.944,4.024 42.656,3.957 42.374,3.871 42.097,3.767 41.829,3.645 41.568,3.506 41.318,3.35 41.078,3.178 40.85,2.991 40.634,2.789 40.432,2.574 40.245,2.346 40.073,2.106 39.935,1.884 39.935,1.883 39.917,1.855 39.919,1.854 39.919,1.853 39.803,1.671 39.67,1.498 39.523,1.338 39.363,1.191 39.191,1.059 39.007,0.942 38.814,0.842 38.614,0.758 38.406,0.693 38.194,0.646 37.979,0.618 37.777,0.609 37.761,0.61 18.066,0.61 18.05,0.609 17.849,0.618 17.634,0.646 17.421,0.693 17.214,0.758 17.013,0.842 16.82,0.942 16.637,1.059 16.465,1.191 16.316,1.327 16.306,1.34 2.063,15.582 2.051,15.593 1.915,15.741 1.782,15.913 1.666,16.097 1.565,16.29 1.482,16.49 1.417,16.698 1.37,16.91 1.341,17.125 1.332,17.327 1.334,17.343 1.334,18.748 14.148,18.748
GND_LPF_ADC1 on Ground (split plane): 19.171,34.2 19.18,34.15 19.208,34.108 19.25,34.08 19.3,34.071 35.346,34.071 39.271,30.146 39.271,19.8 39.28,19.75 39.308,19.708 42.808,16.208 47.808,11.208 47.85,11.18 47.9,11.171 47.91,11.173 61,11.173 61.049,11.182 61.09,11.21 71.19,21.31 74.953,25.073 86.313,25.073 86.313,21.227 78.2,21.227 78.151,21.218 78.11,21.19 62.947,6.027 41.01,6.027 41,6.029 39.254,6.029 36.592,8.692 29.242,16.042 29.2,16.07 29.15,16.079 14.5,16.079 14.45,16.07 14.408,16.042 14.38,16 14.371,15.95 14.371,9.029 8.616,9.029 7.529,10.116 7.529,15.95 7.52,16 7.492,16.042 7.45,16.07 7.4,16.079 1.677,16.079 1.666,16.097 1.565,16.29 1.482,16.49 1.417,16.698 1.37,16.91 1.341,17.125 1.332,17.327 1.334,17.343 1.334,25.071 10,25.071 10.05,25.08 10.092,25.108 10.12,25.15 10.129,25.2 10.129,52.371 12,52.371 12.05,52.38 12.092,52.408 12.12,52.45 12.129,52.5 12.129,55.371 19.171,55.371
GND on Ground (split plane): 164 vertices, not listed, extent 1.332,11.427 86.315,61.591
GND on Ground (split plane): 86.313,17.343 86.315,17.327 86.306,17.125 86.278,16.91 86.231,16.698 86.165,16.49 86.082,16.29 85.982,16.097 85.865,15.913 85.732,15.741 85.596,15.593 85.584,15.582 71.341,1.34 71.331,1.327 71.183,1.191 71.01,1.059 70.827,0.942 70.634,0.842 70.433,0.758 70.226,0.693 70.014,0.646 69.798,0.618 69.597,0.609 69.581,0.61 49.886,0.61 49.87,0.609 49.669,0.618 49.453,0.646 49.241,0.693 49.033,0.758 48.833,0.842 48.64,0.942 48.456,1.059 48.284,1.191 48.124,1.338 47.977,1.498 47.845,1.671 47.729,1.853 47.728,1.854 47.73,1.855 47.712,1.883 47.712,1.884 47.574,2.106 47.402,2.346 47.215,2.574 47.013,2.789 46.797,2.991 46.569,3.178 46.329,3.35 46.079,3.506 45.818,3.645 45.55,3.767 45.273,3.871 44.991,3.957 44.703,4.024 44.412,4.072 44.119,4.101 43.824,4.11 43.529,4.101 43.235,4.072 42.944,4.024 42.656,3.957 42.374,3.871 42.097,3.767 41.829,3.645 41.568,3.506 41.318,3.35 41.078,3.178 40.85,2.991 40.634,2.789 40.432,2.574 40.245,2.346 40.073,2.106 39.935,1.884 39.935,1.883 39.917,1.855 39.919,1.854 39.919,1.853 39.803,1.671 39.67,1.498 39.523,1.338 39.363,1.191 39.191,1.059 39.007,0.942 38.814,0.842 38.614,0.758 38.406,0.693 38.194,0.646 37.979,0.618 37.777,0.609 37.761,0.61 18.066,0.61 18.05,0.609 17.849,0.618 17.634,0.646 17.421,0.693 17.214,0.758 17.013,0.842 16.82,0.942 16.637,1.059 16.465,1.191 16.316,1.327 16.306,1.34 8.875,8.771 14.5,8.771 14.55,8.78 14.592,8.808 14.62,8.85 14.63,8.9 14.63,15.821 29.096,15.821 36.408,8.508 39.108,5.808 39.15,5.78 39.2,5.771 41,5.771 41.01,5.773 63,5.773 63.049,5.782 63.09,5.81 78.253,20.973 86.313,20.973
GND on Ground (split plane): 7.271,10.375 2.063,15.582 2.051,15.593 1.915,15.741 1.854,15.821 7.271,15.821

## Other copper
Ground (plane layer: these items are gaps in the copper):
  lines w0.25: 41,5.9 41.7,5.9 63,5.9 78.2,21.1 86.8,21.1 ; 47.9,11.3 61,11.3 71.1,21.4 74.9,25.2 86.7,25.2
  lines w0.254: 1.175,15.35 1.175,25.2 10,25.2 10,52.5 12,52.5 12,55.5 19.3,55.5 19.3,34.2 32.975,34.2 35.4,34.2 39.4,30.2 39.4,19.8 42.9,16.3 47.9,11.3 ; 1.275,15.95 7.4,15.95 7.4,8.9 14.5,8.9 14.5,15.95 29.142,15.95 29.15,15.95 36.5,8.6 39.2,5.9 41,5.9 ; 11.5,13.1 11.546,13.1
Power (plane layer: these items are gaps in the copper):
  lines w0.25: 0.8,41 0.8,41.3
  lines w0.254: 1.2,17.85 1.2,19 1.2,19.7 ; 43.1,3.6 43.4,3.6
  lines w0.5: 0.8,16.9 0.8,18.9 0.9,19 14.4,19 14.4,8.8 23.6,8.8 ; 0.8,41 0.8,40.3 1,40.1 9.3,40.1 11.4,42.2 11.4,46.087 12.85,47.537 18.013,52.7 70.7,52.7 75.8,47.6 ; 0.8,44.9 0.981,45.081 8,45.081 8,46.1 8,47.7 ; 1,25.106 23.6,25 23.6,13.7 23.6,8.8 ; 23.6,17.6 28,17.6 28,14.8 26.2,14.8 26.2,11.8 61.1,11.8 68.6,19.3 68.6,35.8 68.6,47.6 75.8,47.6 ; 79.7,8.8 23.6,8.8 ; 86.8,39.5 86.4,39.1 75.8,39.1 75.8,47.6 ; 86.9,43.113 80.7,43.113 80.7,47.8 73.7,54.8 15.1,54.8 8,47.7 ; 8,47.7 8,47.7

## Silkscreen, mask and mechanical layers (free items; w line width, h text height)
Top Overlay:
  text "ver.1.4" at 76.3,15.9 h0.6
Bottom Overlay:
  lines w0.5: 42.3,5.2 42.3,10.5 53.625,10.5 53.625,5.2 42.3,5.2
Top Solder:
  the board outline again, w0.2
Bottom Solder:
  the board outline again, w0.2
Mechanical 1:
  circle w0.2: c82.311,40.099 r0.432
  circle w0.2: c84.311,40.099 r0.432
  circle w0.2: c82.311,36.099 r0.432
  circle w0.2: c84.311,38.099 r0.432
  circle w0.2: c82.311,38.099 r0.432
  circle w0.2: c84.311,36.099 r0.432
  circle w0.2: c82.311,32.099 r0.432
  circle w0.2: c84.311,34.099 r0.432
  circle w0.2: c82.311,34.099 r0.432
  circle w0.2: c84.311,32.099 r0.432
  circle w0.2: c82.311,22.099 r0.432
  circle w0.2: c84.311,22.099 r0.432
  circle w0.2: c82.311,24.099 r0.432
  circle w0.2: c84.311,24.099 r0.432
  circle w0.2: c84.311,26.099 r0.432
  circle w0.2: c84.311,28.099 r0.432
  circle w0.2: c82.311,30.099 r0.432
  circle w0.2: c84.311,30.099 r0.432
  circle w0.2: c82.311,26.099 r0.432
  circle w0.2: c82.311,28.099 r0.432
  circle w0.2: c18.809,3.1 r1.5
  circle w0.2: c68.809,3.1 r1.5
  circle w0.2: c68.809,59.1 r1.5
  circle w0.2: c18.809,59.1 r1.5
  circle w0.2: c5.308,28.099 r0.432
  circle w0.2: c5.308,26.099 r0.432
  circle w0.2: c3.308,30.099 r0.432
  circle w0.2: c5.308,30.099 r0.432
  circle w0.2: c3.308,28.099 r0.432
  circle w0.2: c3.308,26.099 r0.432
  circle w0.2: c3.308,24.099 r0.432
  circle w0.2: c5.308,24.099 r0.432
  circle w0.2: c3.308,22.099 r0.432
  circle w0.2: c5.308,22.099 r0.432
  circle w0.2: c3.308,32.099 r0.432
  circle w0.2: c5.308,34.099 r0.432
  circle w0.2: c3.308,34.099 r0.432
  circle w0.2: c5.308,32.099 r0.432
  circle w0.2: c3.308,36.099 r0.432
  circle w0.2: c5.308,38.099 r0.432
  circle w0.2: c3.308,38.099 r0.432
  circle w0.2: c5.308,36.099 r0.432
  circle w0.2: c3.308,40.099 r0.432
  circle w0.2: c5.308,40.099 r0.432
  lines w0.2: 0.809,17.343 ccw(c3.809,17.343) 1.688,15.221 15.931,0.979 ccw(c18.052,3.1) 18.052,0.1 37.747,0.1 ccw(c37.747,3.1) 40.345,1.6 cw(c43.809,-0.4) 47.273,1.6 ccw(c49.871,3.1) 49.871,0.1 69.567,0.1 ccw(c69.567,3.1) 71.688,0.979 85.931,15.221 ccw(c83.809,17.343) 86.809,17.343 86.809,44.857 ccw(c83.809,44.857) 85.931,46.979 71.688,61.221 ccw(c69.567,59.1) 69.567,62.1 49.871,62.1 ccw(c49.871,59.1) 47.273,60.6 cw(c43.809,62.6) 40.345,60.6 ccw(c37.747,59.1) 37.747,62.1 18.052,62.1 ccw(c18.052,59.1) 15.931,61.221 1.688,46.979 ccw(c3.809,44.857) 0.809,44.857 0.809,17.343 ; 0.824,17.343 ccw(c3.824,17.343) 1.702,15.221 15.945,0.979 ccw(c18.066,3.1) 18.066,0.1 37.761,0.1 ccw(c37.761,3.1) 40.359,1.6 cw(c43.824,-0.4) 47.288,1.6 ccw(c49.886,3.1) 49.886,0.1 69.581,0.1 ccw(c69.581,3.1) 71.702,0.979 85.945,15.221 ccw(c83.824,17.343) 86.824,17.343 86.824,44.857 ccw(c83.824,44.857) 85.945,46.979 71.702,61.221 ccw(c69.581,59.1) 69.581,62.1 49.886,62.1 ccw(c49.886,59.1) 47.288,60.6 cw(c43.824,62.6) 40.359,60.6 ccw(c37.761,59.1) 37.761,62.1 18.066,62.1 ccw(c18.066,59.1) 15.945,61.221 1.702,46.979 ccw(c3.824,44.857) 0.824,44.857 0.824,17.343